# Altium PCB PCB_3U_DAC_no_BNC.PCBDOC (part 5 of 7) (continued)
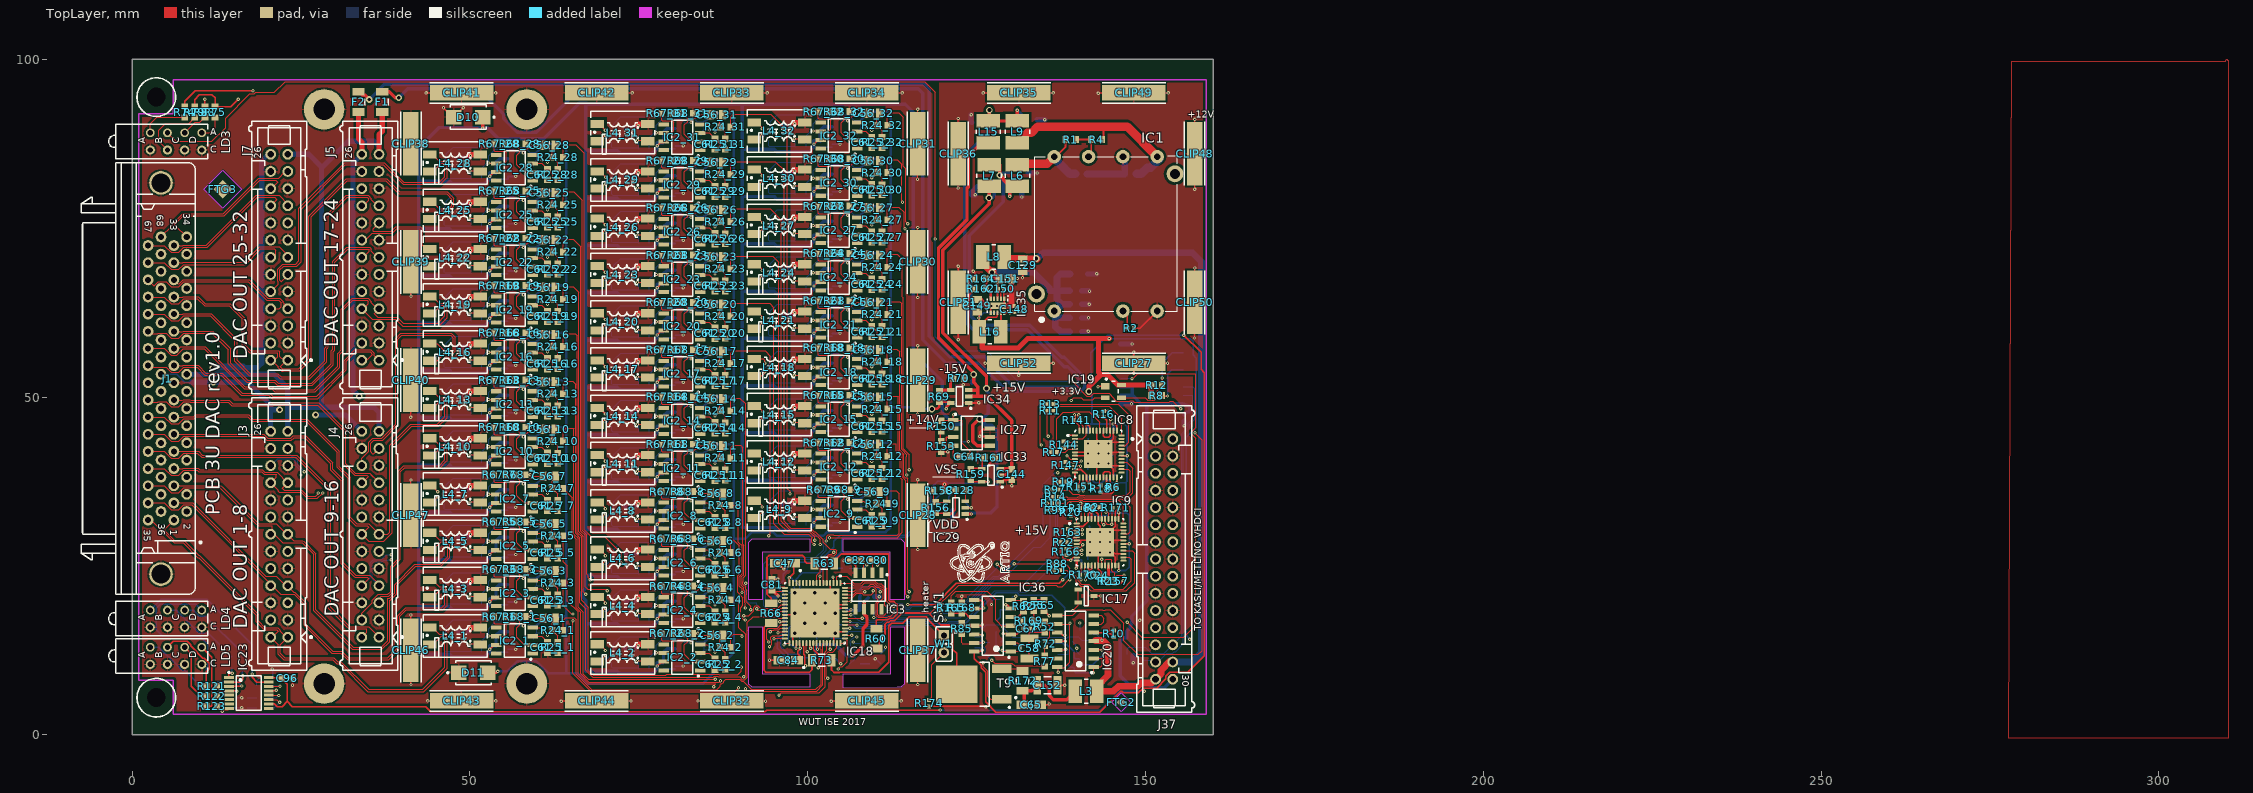
[diagram p0: TopLayer view]
## Nets (pads, with @x,y where several pads share a name; then routed paths per layer and width w, separated by ;. In a path a pad name is that pad's centre, name@x,y a point inside that pad or via, vN(x,y) a via of type N, cw(c..) or ccw(c..) an arc to the next point about the centre after c; other vN are vias at no path point) (continued)
  BottomLayer w0.152: R39_5.1@51.763,26.306 51.763,27.917 52.497,28.651 v1(52.796,28.651) 52.796,29.744 53.772,30.72 56.429,30.72 56.994,30.155 v1(57.912,30.155)
NetC56_6_1: C56_6.1 R24_6.2 R25_6.1 | length 4
  TopLayer w0.152: C56_6.1@87.422,28.772 86.992,28.342 R24_6.2@86.992,26.994 87.792,26.194 R25_6.1@87.792,25.254
NetC56_6_2: C56_6.2 IC2_6.6 R39_6.1 R67_6.2 | length 20.1
  TopLayer w0.152: v1(77.596,26.151) 78.661,26.151 IC2_6.6@78.707,26.105 79.852,26.105 80.177,26.43 80.177,27.707 79.959,27.925 78.435,27.925 78.356,28.004 R67_6.2@78.356,29.026 ; v1(82.712,27.655) 83.38,28.323 83.666,28.323 84.115,28.772 C56_6.2@85.622,28.772
  BottomLayer w0.152: R39_6.1@76.563,23.806 76.563,25.417 77.297,26.151 v1(77.596,26.151) 77.596,27.244 78.572,28.22 81.229,28.22 81.794,27.655 v1(82.712,27.655)
NetC56_7_1: C56_7.1 R24_7.2 R25_7.1 | length 4
  TopLayer w0.152: C56_7.1@62.622,38.272 62.192,37.842 R24_7.2@62.192,36.494 62.992,35.694 R25_7.1@62.992,34.754
NetC56_7_2: C56_7.2 IC2_7.6 R39_7.1 R67_7.2 | length 20.1
  TopLayer w0.152: v1(52.796,35.651) 53.861,35.651 IC2_7.6@53.907,35.605 55.052,35.605 55.377,35.93 55.377,37.207 55.159,37.425 53.635,37.425 53.556,37.504 R67_7.2@53.556,38.526 ; v1(57.912,37.155) 58.58,37.823 58.866,37.823 59.315,38.272 C56_7.2@60.822,38.272
  BottomLayer w0.152: R39_7.1@51.763,33.306 51.763,34.917 52.497,35.651 v1(52.796,35.651) 52.796,36.744 53.772,37.72 56.429,37.72 56.994,37.155 v1(57.912,37.155)
NetC56_8_1: C56_8.1 R24_8.2 R25_8.1 | length 4
  TopLayer w0.152: C56_8.1@87.422,35.772 86.992,35.342 R24_8.2@86.992,33.994 87.792,33.194 R25_8.1@87.792,32.254
NetC56_8_2: C56_8.2 IC2_8.6 R39_8.1 R67_8.2 | length 20.1
  TopLayer w0.152: v1(77.596,33.151) 78.661,33.151 IC2_8.6@78.707,33.105 79.852,33.105 80.177,33.43 80.177,34.707 79.959,34.925 78.435,34.925 78.356,35.004 R67_8.2@78.356,36.026 ; v1(82.712,34.655) 83.38,35.323 83.666,35.323 84.115,35.772 C56_8.2@85.622,35.772
  BottomLayer w0.152: R39_8.1@76.563,30.806 76.563,32.417 77.297,33.151 v1(77.596,33.151) 77.596,34.244 78.572,35.22 81.229,35.22 81.794,34.655 v1(82.712,34.655)
NetC56_9_1: C56_9.1 R24_9.2 R25_9.1 | length 4
  TopLayer w0.152: C56_9.1@110.622,36.022 110.192,35.592 R24_9.2@110.192,34.244 110.992,33.444 R25_9.1@110.992,32.504
NetC56_9_2: C56_9.2 IC2_9.6 R39_9.1 R67_9.2 | length 20.1
  TopLayer w0.152: v1(100.796,33.401) 101.861,33.401 IC2_9.6@101.907,33.355 103.052,33.355 103.377,33.68 103.377,34.957 103.159,35.175 101.635,35.175 101.556,35.254 R67_9.2@101.556,36.276 ; v1(105.912,34.905) 106.58,35.573 106.866,35.573 107.315,36.022 C56_9.2@108.822,36.022
  BottomLayer w0.152: R39_9.1@99.763,31.056 99.763,32.667 100.497,33.401 v1(100.796,33.401) 100.796,34.494 101.772,35.47 104.429,35.47 104.994,34.905 v1(105.912,34.905)
NetC56_10_1: C56_10.1 R24_10.2 R25_10.1 | length 4
  TopLayer w0.152: C56_10.1@62.622,45.272 62.192,44.842 R24_10.2@62.192,43.494 62.992,42.694 R25_10.1@62.992,41.754
NetC56_10_2: C56_10.2 IC2_10.6 R39_10.1 R67_10.2 | length 20.1
  TopLayer w0.152: v1(52.796,42.651) 53.861,42.651 IC2_10.6@53.907,42.605 55.052,42.605 55.377,42.93 55.377,44.207 55.159,44.425 53.635,44.425 53.556,44.504 R67_10.2@53.556,45.526 ; v1(57.912,44.155) 58.58,44.823 58.866,44.823 59.315,45.272 C56_10.2@60.822,45.272
  BottomLayer w0.152: R39_10.1@51.763,40.306 51.763,41.917 52.497,42.651 v1(52.796,42.651) 52.796,43.744 53.772,44.72 56.429,44.72 56.994,44.155 v1(57.912,44.155)
NetC56_11_1: C56_11.1 R24_11.2 R25_11.1 | length 4
  TopLayer w0.152: C56_11.1@87.422,42.772 86.992,42.342 R24_11.2@86.992,40.994 87.792,40.194 R25_11.1@87.792,39.254
NetC56_11_2: C56_11.2 IC2_11.6 R39_11.1 R67_11.2 | length 20.1
  TopLayer w0.152: v1(77.596,40.151) 78.661,40.151 IC2_11.6@78.707,40.105 79.852,40.105 80.177,40.43 80.177,41.707 79.959,41.925 78.435,41.925 78.356,42.004 R67_11.2@78.356,43.026 ; v1(82.712,41.655) 83.38,42.323 83.666,42.323 84.115,42.772 C56_11.2@85.622,42.772
  BottomLayer w0.152: R39_11.1@76.563,37.806 76.563,39.417 77.297,40.151 v1(77.596,40.151) 77.596,41.244 78.572,42.22 81.229,42.22 81.794,41.655 v1(82.712,41.655)
NetC56_12_1: C56_12.1 R24_12.2 R25_12.1 | length 4
  TopLayer w0.152: C56_12.1@110.622,43.022 110.192,42.592 R24_12.2@110.192,41.244 110.992,40.444 R25_12.1@110.992,39.504
NetC56_12_2: C56_12.2 IC2_12.6 R39_12.1 R67_12.2 | length 20.1
  TopLayer w0.152: v1(100.796,40.401) 101.861,40.401 IC2_12.6@101.907,40.355 103.052,40.355 103.377,40.68 103.377,41.957 103.159,42.175 101.635,42.175 101.556,42.254 R67_12.2@101.556,43.276 ; v1(105.912,41.905) 106.58,42.573 106.866,42.573 107.315,43.022 C56_12.2@108.822,43.022
  BottomLayer w0.152: R39_12.1@99.763,38.056 99.763,39.667 100.497,40.401 v1(100.796,40.401) 100.796,41.494 101.772,42.47 104.429,42.47 104.994,41.905 v1(105.912,41.905)
NetC56_13_1: C56_13.1 R24_13.2 R25_13.1 | length 4
  TopLayer w0.152: C56_13.1@62.622,52.272 62.192,51.842 R24_13.2@62.192,50.494 62.992,49.694 R25_13.1@62.992,48.754
NetC56_13_2: C56_13.2 IC2_13.6 R39_13.1 R67_13.2 | length 20.1
  TopLayer w0.152: v1(52.796,49.651) 53.861,49.651 IC2_13.6@53.907,49.605 55.052,49.605 55.377,49.93 55.377,51.207 55.159,51.425 53.635,51.425 53.556,51.504 R67_13.2@53.556,52.526 ; v1(57.912,51.155) 58.58,51.823 58.866,51.823 59.315,52.272 C56_13.2@60.822,52.272
  BottomLayer w0.152: R39_13.1@51.763,47.306 51.763,48.917 52.497,49.651 v1(52.796,49.651) 52.796,50.744 53.772,51.72 56.429,51.72 56.994,51.155 v1(57.912,51.155)
NetC56_14_1: C56_14.1 R24_14.2 R25_14.1 | length 4
  TopLayer w0.152: C56_14.1@87.422,49.772 86.992,49.342 R24_14.2@86.992,47.994 87.792,47.194 R25_14.1@87.792,46.254
NetC56_14_2: C56_14.2 IC2_14.6 R39_14.1 R67_14.2 | length 20.1
  TopLayer w0.152: v1(77.596,47.151) 78.661,47.151 IC2_14.6@78.707,47.105 79.852,47.105 80.177,47.43 80.177,48.707 79.959,48.925 78.435,48.925 78.356,49.004 R67_14.2@78.356,50.026 ; v1(82.712,48.655) 83.38,49.323 83.666,49.323 84.115,49.772 C56_14.2@85.622,49.772
  BottomLayer w0.152: R39_14.1@76.563,44.806 76.563,46.417 77.297,47.151 v1(77.596,47.151) 77.596,48.244 78.572,49.22 81.229,49.22 81.794,48.655 v1(82.712,48.655)
NetC56_15_1: C56_15.1 R24_15.2 R25_15.1 | length 4
  TopLayer w0.152: C56_15.1@110.622,50.022 110.192,49.592 R24_15.2@110.192,48.244 110.992,47.444 R25_15.1@110.992,46.504
NetC56_15_2: C56_15.2 IC2_15.6 R39_15.1 R67_15.2 | length 20.1
  TopLayer w0.152: v1(100.796,47.401) 101.861,47.401 IC2_15.6@101.907,47.355 103.052,47.355 103.377,47.68 103.377,48.957 103.159,49.175 101.635,49.175 101.556,49.254 R67_15.2@101.556,50.276 ; v1(105.912,48.905) 106.58,49.573 106.866,49.573 107.315,50.022 C56_15.2@108.822,50.022
  BottomLayer w0.152: R39_15.1@99.763,45.056 99.763,46.667 100.497,47.401 v1(100.796,47.401) 100.796,48.494 101.772,49.47 104.429,49.47 104.994,48.905 v1(105.912,48.905)
NetC56_16_1: C56_16.1 R24_16.2 R25_16.1 | length 4
  TopLayer w0.152: C56_16.1@62.622,59.272 62.192,58.842 R24_16.2@62.192,57.494 62.992,56.694 R25_16.1@62.992,55.754
NetC56_16_2: C56_16.2 IC2_16.6 R39_16.1 R67_16.2 | length 20.1
  TopLayer w0.152: v1(52.796,56.651) 53.861,56.651 IC2_16.6@53.907,56.605 55.052,56.605 55.377,56.93 55.377,58.207 55.159,58.425 53.635,58.425 53.556,58.504 R67_16.2@53.556,59.526 ; v1(57.912,58.155) 58.58,58.823 58.866,58.823 59.315,59.272 C56_16.2@60.822,59.272
  BottomLayer w0.152: R39_16.1@51.763,54.306 51.763,55.917 52.497,56.651 v1(52.796,56.651) 52.796,57.744 53.772,58.72 56.429,58.72 56.994,58.155 v1(57.912,58.155)
NetC56_17_1: C56_17.1 R24_17.2 R25_17.1 | length 4
  TopLayer w0.152: C56_17.1@87.422,56.772 86.992,56.342 R24_17.2@86.992,54.994 87.792,54.194 R25_17.1@87.792,53.254
NetC56_17_2: C56_17.2 IC2_17.6 R39_17.1 R67_17.2 | length 20.1
  TopLayer w0.152: v1(77.596,54.151) 78.661,54.151 IC2_17.6@78.707,54.105 79.852,54.105 80.177,54.43 80.177,55.707 79.959,55.925 78.435,55.925 78.356,56.004 R67_17.2@78.356,57.026 ; v1(82.712,55.655) 83.38,56.323 83.666,56.323 84.115,56.772 C56_17.2@85.622,56.772
  BottomLayer w0.152: R39_17.1@76.563,51.806 76.563,53.417 77.297,54.151 v1(77.596,54.151) 77.596,55.244 78.572,56.22 81.229,56.22 81.794,55.655 v1(82.712,55.655)
NetC56_18_1: C56_18.1 R24_18.2 R25_18.1 | length 4
  TopLayer w0.152: C56_18.1@110.622,57.022 110.192,56.592 R24_18.2@110.192,55.244 110.992,54.444 R25_18.1@110.992,53.504
NetC56_18_2: C56_18.2 IC2_18.6 R39_18.1 R67_18.2 | length 20.1
  TopLayer w0.152: v1(100.796,54.401) 101.861,54.401 IC2_18.6@101.907,54.355 103.052,54.355 103.377,54.68 103.377,55.957 103.159,56.175 101.635,56.175 101.556,56.254 R67_18.2@101.556,57.276 ; v1(105.912,55.905) 106.58,56.573 106.866,56.573 107.315,57.022 C56_18.2@108.822,57.022
  BottomLayer w0.152: R39_18.1@99.763,52.056 99.763,53.667 100.497,54.401 v1(100.796,54.401) 100.796,55.494 101.772,56.47 104.429,56.47 104.994,55.905 v1(105.912,55.905)
NetC56_19_1: C56_19.1 R24_19.2 R25_19.1 | length 4
  TopLayer w0.152: C56_19.1@62.622,66.272 62.192,65.842 R24_19.2@62.192,64.494 62.992,63.694 R25_19.1@62.992,62.754
NetC56_19_2: C56_19.2 IC2_19.6 R39_19.1 R67_19.2 | length 20.1
  TopLayer w0.152: v1(52.796,63.651) 53.861,63.651 IC2_19.6@53.907,63.605 55.052,63.605 55.377,63.93 55.377,65.207 55.159,65.425 53.635,65.425 53.556,65.504 R67_19.2@53.556,66.526 ; v1(57.912,65.155) 58.58,65.823 58.866,65.823 59.315,66.272 C56_19.2@60.822,66.272
  BottomLayer w0.152: R39_19.1@51.763,61.306 51.763,62.917 52.497,63.651 v1(52.796,63.651) 52.796,64.744 53.772,65.72 56.429,65.72 56.994,65.155 v1(57.912,65.155)
NetC56_20_1: C56_20.1 R24_20.2 R25_20.1 | length 4
  TopLayer w0.152: C56_20.1@87.422,63.772 86.992,63.342 R24_20.2@86.992,61.994 87.792,61.194 R25_20.1@87.792,60.254
NetC56_20_2: C56_20.2 IC2_20.6 R39_20.1 R67_20.2 | length 20.1
  TopLayer w0.152: v1(77.596,61.151) 78.661,61.151 IC2_20.6@78.707,61.105 79.852,61.105 80.177,61.43 80.177,62.707 79.959,62.925 78.435,62.925 78.356,63.004 R67_20.2@78.356,64.026 ; v1(82.712,62.655) 83.38,63.323 83.666,63.323 84.115,63.772 C56_20.2@85.622,63.772
  BottomLayer w0.152: R39_20.1@76.563,58.806 76.563,60.417 77.297,61.151 v1(77.596,61.151) 77.596,62.244 78.572,63.22 81.229,63.22 81.794,62.655 v1(82.712,62.655)
NetC56_21_1: C56_21.1 R24_21.2 R25_21.1 | length 4
  TopLayer w0.152: C56_21.1@110.622,64.022 110.192,63.592 R24_21.2@110.192,62.244 110.992,61.444 R25_21.1@110.992,60.504
NetC56_21_2: C56_21.2 IC2_21.6 R39_21.1 R67_21.2 | length 20.1
  TopLayer w0.152: v1(100.796,61.401) 101.861,61.401 IC2_21.6@101.907,61.355 103.052,61.355 103.377,61.68 103.377,62.957 103.159,63.175 101.635,63.175 101.556,63.254 R67_21.2@101.556,64.276 ; v1(105.912,62.905) 106.58,63.573 106.866,63.573 107.315,64.022 C56_21.2@108.822,64.022
  BottomLayer w0.152: R39_21.1@99.763,59.056 99.763,60.667 100.497,61.401 v1(100.796,61.401) 100.796,62.494 101.772,63.47 104.429,63.47 104.994,62.905 v1(105.912,62.905)
NetC56_22_1: C56_22.1 R24_22.2 R25_22.1 | length 4
  TopLayer w0.152: C56_22.1@62.622,73.272 62.192,72.842 R24_22.2@62.192,71.494 62.992,70.694 R25_22.1@62.992,69.754
NetC56_22_2: C56_22.2 IC2_22.6 R39_22.1 R67_22.2 | length 20.1
  TopLayer w0.152: v1(52.796,70.651) 53.861,70.651 IC2_22.6@53.907,70.605 55.052,70.605 55.377,70.93 55.377,72.207 55.159,72.425 53.635,72.425 53.556,72.504 R67_22.2@53.556,73.526 ; v1(57.912,72.155) 58.58,72.823 58.866,72.823 59.315,73.272 C56_22.2@60.822,73.272
  BottomLayer w0.152: R39_22.1@51.763,68.306 51.763,69.917 52.497,70.651 v1(52.796,70.651) 52.796,71.744 53.772,72.72 56.429,72.72 56.994,72.155 v1(57.912,72.155)
NetC56_23_1: C56_23.1 R24_23.2 R25_23.1 | length 4
  TopLayer w0.152: C56_23.1@87.422,70.772 86.992,70.342 R24_23.2@86.992,68.994 87.792,68.194 R25_23.1@87.792,67.254
NetC56_23_2: C56_23.2 IC2_23.6 R39_23.1 R67_23.2 | length 20.1
  TopLayer w0.152: v1(77.596,68.151) 78.661,68.151 IC2_23.6@78.707,68.105 79.852,68.105 80.177,68.43 80.177,69.707 79.959,69.925 78.435,69.925 78.356,70.004 R67_23.2@78.356,71.026 ; v1(82.712,69.655) 83.38,70.323 83.666,70.323 84.115,70.772 C56_23.2@85.622,70.772
  BottomLayer w0.152: R39_23.1@76.563,65.806 76.563,67.417 77.297,68.151 v1(77.596,68.151) 77.596,69.244 78.572,70.22 81.229,70.22 81.794,69.655 v1(82.712,69.655)
NetC56_24_1: C56_24.1 R24_24.2 R25_24.1 | length 4
  TopLayer w0.152: C56_24.1@110.622,71.022 110.192,70.592 R24_24.2@110.192,69.244 110.992,68.444 R25_24.1@110.992,67.504
NetC56_24_2: C56_24.2 IC2_24.6 R39_24.1 R67_24.2 | length 20.1
  TopLayer w0.152: v1(100.796,68.401) 101.861,68.401 IC2_24.6@101.907,68.355 103.052,68.355 103.377,68.68 103.377,69.957 103.159,70.175 101.635,70.175 101.556,70.254 R67_24.2@101.556,71.276 ; v1(105.912,69.905) 106.58,70.573 106.866,70.573 107.315,71.022 C56_24.2@108.822,71.022
  BottomLayer w0.152: R39_24.1@99.763,66.056 99.763,67.667 100.497,68.401 v1(100.796,68.401) 100.796,69.494 101.772,70.47 104.429,70.47 104.994,69.905 v1(105.912,69.905)
NetC56_25_1: C56_25.1 R24_25.2 R25_25.1 | length 4
  TopLayer w0.152: C56_25.1@62.622,80.272 62.192,79.842 R24_25.2@62.192,78.494 62.992,77.694 R25_25.1@62.992,76.754
NetC56_25_2: C56_25.2 IC2_25.6 R39_25.1 R67_25.2 | length 20.1
  TopLayer w0.152: v1(52.796,77.651) 53.861,77.651 IC2_25.6@53.907,77.605 55.052,77.605 55.377,77.93 55.377,79.207 55.159,79.425 53.635,79.425 53.556,79.504 R67_25.2@53.556,80.526 ; v1(57.912,79.155) 58.58,79.823 58.866,79.823 59.315,80.272 C56_25.2@60.822,80.272
  BottomLayer w0.152: R39_25.1@51.763,75.306 51.763,76.917 52.497,77.651 v1(52.796,77.651) 52.796,78.744 53.772,79.72 56.429,79.72 56.994,79.155 v1(57.912,79.155)
NetC56_26_1: C56_26.1 R24_26.2 R25_26.1 | length 4
  TopLayer w0.152: C56_26.1@87.422,77.772 86.992,77.342 R24_26.2@86.992,75.994 87.792,75.194 R25_26.1@87.792,74.254
NetC56_26_2: C56_26.2 IC2_26.6 R39_26.1 R67_26.2 | length 20.1
  TopLayer w0.152: v1(77.596,75.151) 78.661,75.151 IC2_26.6@78.707,75.105 79.852,75.105 80.177,75.43 80.177,76.707 79.959,76.925 78.435,76.925 78.356,77.004 R67_26.2@78.356,78.026 ; v1(82.712,76.655) 83.38,77.323 83.666,77.323 84.115,77.772 C56_26.2@85.622,77.772
  BottomLayer w0.152: R39_26.1@76.563,72.806 76.563,74.417 77.297,75.151 v1(77.596,75.151) 77.596,76.244 78.572,77.22 81.229,77.22 81.794,76.655 v1(82.712,76.655)
NetC56_27_1: C56_27.1 R24_27.2 R25_27.1 | length 4
  TopLayer w0.152: C56_27.1@110.622,78.022 110.192,77.592 R24_27.2@110.192,76.244 110.992,75.444 R25_27.1@110.992,74.504
NetC56_27_2: C56_27.2 IC2_27.6 R39_27.1 R67_27.2 | length 20.1
  TopLayer w0.152: v1(100.796,75.401) 101.861,75.401 IC2_27.6@101.907,75.355 103.052,75.355 103.377,75.68 103.377,76.957 103.159,77.175 101.635,77.175 101.556,77.254 R67_27.2@101.556,78.276 ; v1(105.912,76.905) 106.58,77.573 106.866,77.573 107.315,78.022 C56_27.2@108.822,78.022
  BottomLayer w0.152: R39_27.1@99.763,73.056 99.763,74.667 100.497,75.401 v1(100.796,75.401) 100.796,76.494 101.772,77.47 104.429,77.47 104.994,76.905 v1(105.912,76.905)
NetC56_28_1: C56_28.1 R24_28.2 R25_28.1 | length 4
  TopLayer w0.152: C56_28.1@62.622,87.272 62.192,86.842 R24_28.2@62.192,85.494 62.992,84.694 R25_28.1@62.992,83.754
NetC56_28_2: C56_28.2 IC2_28.6 R39_28.1 R67_28.2 | length 20.1
  TopLayer w0.152: v1(52.796,84.651) 53.861,84.651 IC2_28.6@53.907,84.605 55.052,84.605 55.377,84.93 55.377,86.207 55.159,86.425 53.635,86.425 53.556,86.504 R67_28.2@53.556,87.526 ; v1(57.912,86.155) 58.58,86.823 58.866,86.823 59.315,87.272 C56_28.2@60.822,87.272
  BottomLayer w0.152: R39_28.1@51.763,82.306 51.763,83.917 52.497,84.651 v1(52.796,84.651) 52.796,85.744 53.772,86.72 56.429,86.72 56.994,86.155 v1(57.912,86.155)
NetC56_29_1: C56_29.1 R24_29.2 R25_29.1 | length 4
  TopLayer w0.152: C56_29.1@87.422,84.772 86.992,84.342 R24_29.2@86.992,82.994 87.792,82.194 R25_29.1@87.792,81.254
NetC56_29_2: C56_29.2 IC2_29.6 R39_29.1 R67_29.2 | length 20.1
  TopLayer w0.152: v1(77.596,82.151) 78.661,82.151 IC2_29.6@78.707,82.105 79.852,82.105 80.177,82.43 80.177,83.707 79.959,83.925 78.435,83.925 78.356,84.004 R67_29.2@78.356,85.026 ; v1(82.712,83.655) 83.38,84.323 83.666,84.323 84.115,84.772 C56_29.2@85.622,84.772
  BottomLayer w0.152: R39_29.1@76.563,79.806 76.563,81.417 77.297,82.151 v1(77.596,82.151) 77.596,83.244 78.572,84.22 81.229,84.22 81.794,83.655 v1(82.712,83.655)
NetC56_30_1: C56_30.1 R24_30.2 R25_30.1 | length 4
  TopLayer w0.152: C56_30.1@110.622,85.022 110.192,84.592 R24_30.2@110.192,83.244 110.992,82.444 R25_30.1@110.992,81.504
NetC56_30_2: C56_30.2 IC2_30.6 R39_30.1 R67_30.2 | length 20.1
  TopLayer w0.152: v1(100.796,82.401) 101.861,82.401 IC2_30.6@101.907,82.355 103.052,82.355 103.377,82.68 103.377,83.957 103.159,84.175 101.635,84.175 101.556,84.254 R67_30.2@101.556,85.276 ; v1(105.912,83.905) 106.58,84.573 106.866,84.573 107.315,85.022 C56_30.2@108.822,85.022
  BottomLayer w0.152: R39_30.1@99.763,80.056 99.763,81.667 100.497,82.401 v1(100.796,82.401) 100.796,83.494 101.772,84.47 104.429,84.47 104.994,83.905 v1(105.912,83.905)
NetC56_31_1: C56_31.1 R24_31.2 R25_31.1 | length 4
  TopLayer w0.152: C56_31.1@87.422,91.772 86.992,91.342 R24_31.2@86.992,89.994 87.792,89.194 R25_31.1@87.792,88.254
NetC56_31_2: C56_31.2 IC2_31.6 R39_31.1 R67_31.2 | length 20.1
  TopLayer w0.152: v1(77.596,89.151) 78.661,89.151 IC2_31.6@78.707,89.105 79.852,89.105 80.177,89.43 80.177,90.707 79.959,90.925 78.435,90.925 78.356,91.004 R67_31.2@78.356,92.026 ; v1(82.712,90.655) 83.38,91.323 83.666,91.323 84.115,91.772 C56_31.2@85.622,91.772
  BottomLayer w0.152: R39_31.1@76.563,86.806 76.563,88.417 77.297,89.151 v1(77.596,89.151) 77.596,90.244 78.572,91.22 81.229,91.22 81.794,90.655 v1(82.712,90.655)
NetC56_32_1: C56_32.1 R24_32.2 R25_32.1 | length 4
  TopLayer w0.152: C56_32.1@110.622,92.022 110.192,91.592 R24_32.2@110.192,90.244 110.992,89.444 R25_32.1@110.992,88.504
NetC56_32_2: C56_32.2 IC2_32.6 R39_32.1 R67_32.2 | length 20.1
  TopLayer w0.152: v1(100.796,89.401) 101.861,89.401 IC2_32.6@101.907,89.355 103.052,89.355 103.377,89.68 103.377,90.957 103.159,91.175 101.635,91.175 101.556,91.254 R67_32.2@101.556,92.276 ; v1(105.912,90.905) 106.58,91.573 106.866,91.573 107.315,92.022 C56_32.2@108.822,92.022
  BottomLayer w0.152: R39_32.1@99.763,87.056 99.763,88.667 100.497,89.401 v1(100.796,89.401) 100.796,90.494 101.772,91.47 104.429,91.47 104.994,90.905 v1(105.912,90.905)
NetC58_1: C58.1 IC36.1 R53.2 R57.1 | length 9.8
  TopLayer w0.127: v1(128.813,12.531) 128.996,12.348 IC36.1@130.08,12.348 132.496,12.348 132.813,12.031 C58.1@132.813,11.324
  BottomLayer w0.127: R57.1@127.986,15.326 127.921,15.261 127.921,12.795 128.185,12.531 v1(128.813,12.531) 129.639,12.531 R53.2@130.019,12.151
NetC58_2: C58.2 IC36.2 R52.2 R53.1 | length 8.5
  TopLayer w0.127: IC36.2@130.08,13.618 130.976,13.618 v1@131.313,13.281 ; v1@131.394,13.281 132.563,13.281 132.813,13.531 C58.2@132.813,14.324 132.813,15.215 133.228,15.215 ; 133.121,15.199 R52.2@135.099,15.199
  BottomLayer w0.127: R53.1@130.019,13.751 130.486,13.284 v1(131.394,13.284)
NetC59_2: C59.2 IC36.6 R54.2 R57.2 | length 5.4
  TopLayer w0.203: v1(129.312,19.281) 129.497,19.281 IC36.6@130.08,18.698
  BottomLayer w0.203: R57.2@127.986,16.926 128.495,17.434 C59.2@128.495,18.501 R54.2@130.019,18.501 129.312,19.207 v1(129.312,19.281)
NetC61_1_2: C61_1.2 IC2_1.3 R25_1.2 | length 5
  TopLayer w0.152: IC2_1.3@59.307,14.605 60.617,14.605 C61_1.2@61.468,13.754 62.268,12.954 62.268,12.52 62.634,12.154 R25_1.2@62.992,12.154
NetC61_2_2: C61_2.2 IC2_2.3 R25_2.2 | length 5
  TopLayer w0.152: IC2_2.3@84.107,12.105 85.417,12.105 87.068,10.454 87.068,10.02 87.434,9.654 R25_2.2@87.792,9.654
NetC61_3_2: C61_3.2 IC2_3.3 R25_3.2 | length 5
  TopLayer w0.152: IC2_3.3@59.307,21.605 60.617,21.605 62.268,19.954 62.268,19.52 62.634,19.154 R25_3.2@62.992,19.154
NetC61_4_2: C61_4.2 IC2_4.3 R25_4.2 | length 5
  TopLayer w0.152: IC2_4.3@84.107,19.105 85.417,19.105 87.068,17.454 87.068,17.02 87.434,16.654 R25_4.2@87.792,16.654
NetC61_5_2: C61_5.2 IC2_5.3 R25_5.2 | length 5
  TopLayer w0.152: IC2_5.3@59.307,28.605 60.617,28.605 C61_5.2@61.468,27.754 62.268,26.954 62.268,26.52 62.634,26.154 R25_5.2@62.992,26.154
NetC61_6_2: C61_6.2 IC2_6.3 R25_6.2 | length 5
  TopLayer w0.152: IC2_6.3@84.107,26.105 85.417,26.105 87.068,24.454 87.068,24.02 87.434,23.654 R25_6.2@87.792,23.654
NetC61_7_2: C61_7.2 IC2_7.3 R25_7.2 | length 5
  TopLayer w0.152: IC2_7.3@59.307,35.605 60.617,35.605 62.268,33.954 62.268,33.52 62.634,33.154 R25_7.2@62.992,33.154
NetC61_8_2: C61_8.2 IC2_8.3 R25_8.2 | length 5
  TopLayer w0.152: IC2_8.3@84.107,33.105 85.417,33.105 C61_8.2@86.268,32.254 87.068,31.454 87.068,31.02 87.434,30.654 R25_8.2@87.792,30.654
NetC61_9_2: C61_9.2 IC2_9.3 R25_9.2 | length 5
  TopLayer w0.152: IC2_9.3@107.307,33.355 108.617,33.355 C61_9.2@109.468,32.504 110.268,31.704 110.268,31.27 110.634,30.904 R25_9.2@110.992,30.904
NetC61_10_2: C61_10.2 IC2_10.3 R25_10.2 | length 5
  TopLayer w0.152: IC2_10.3@59.307,42.605 60.617,42.605 62.268,40.954 62.268,40.52 62.634,40.154 R25_10.2@62.992,40.154
NetC61_11_2: C61_11.2 IC2_11.3 R25_11.2 | length 5
  TopLayer w0.152: IC2_11.3@84.107,40.105 85.417,40.105 87.068,38.454 87.068,38.02 87.434,37.654 R25_11.2@87.792,37.654
NetC61_12_2: C61_12.2 IC2_12.3 R25_12.2 | length 5
  TopLayer w0.152: IC2_12.3@107.307,40.355 108.617,40.355 C61_12.2@109.468,39.504 110.268,38.704 110.268,38.27 110.634,37.904 R25_12.2@110.992,37.904
NetC61_13_2: C61_13.2 IC2_13.3 R25_13.2 | length 5
  TopLayer w0.152: IC2_13.3@59.307,49.605 60.617,49.605 C61_13.2@61.468,48.754 62.268,47.954 62.268,47.52 62.634,47.154 R25_13.2@62.992,47.154
NetC61_14_2: C61_14.2 IC2_14.3 R25_14.2 | length 5
  TopLayer w0.152: IC2_14.3@84.107,47.105 85.417,47.105 87.068,45.454 87.068,45.02 87.434,44.654 R25_14.2@87.792,44.654
NetC61_15_2: C61_15.2 IC2_15.3 R25_15.2 | length 5
  TopLayer w0.152: IC2_15.3@107.307,47.355 108.617,47.355 C61_15.2@109.468,46.504 110.268,45.704 110.268,45.27 110.634,44.904 R25_15.2@110.992,44.904
NetC61_16_2: C61_16.2 IC2_16.3 R25_16.2 | length 5
  TopLayer w0.152: IC2_16.3@59.307,56.605 60.617,56.605 C61_16.2@61.468,55.754 62.268,54.954 62.268,54.52 62.634,54.154 R25_16.2@62.992,54.154
NetC61_17_2: C61_17.2 IC2_17.3 R25_17.2 | length 5
  TopLayer w0.152: IC2_17.3@84.107,54.105 85.417,54.105 C61_17.2@86.268,53.254 87.068,52.454 87.068,52.02 87.434,51.654 R25_17.2@87.792,51.654
NetC61_18_2: C61_18.2 IC2_18.3 R25_18.2 | length 5
  TopLayer w0.152: IC2_18.3@107.307,54.355 108.617,54.355 110.268,52.704 110.268,52.27 110.634,51.904 R25_18.2@110.992,51.904
NetC61_19_2: C61_19.2 IC2_19.3 R25_19.2 | length 5
  TopLayer w0.152: IC2_19.3@59.307,63.605 60.617,63.605 62.268,61.954 62.268,61.52 62.634,61.154 R25_19.2@62.992,61.154
NetC61_20_2: C61_20.2 IC2_20.3 R25_20.2 | length 5
  TopLayer w0.152: IC2_20.3@84.107,61.105 85.417,61.105 87.068,59.454 87.068,59.02 87.434,58.654 R25_20.2@87.792,58.654
NetC61_21_2: C61_21.2 IC2_21.3 R25_21.2 | length 5
  TopLayer w0.152: IC2_21.3@107.307,61.355 108.617,61.355 110.268,59.704 110.268,59.27 110.634,58.904 R25_21.2@110.992,58.904
NetC61_22_2: C61_22.2 IC2_22.3 R25_22.2 | length 5
  TopLayer w0.152: IC2_22.3@59.307,70.605 60.617,70.605 C61_22.2@61.468,69.754 62.268,68.954 62.268,68.52 62.634,68.154 R25_22.2@62.992,68.154
NetC61_23_2: C61_23.2 IC2_23.3 R25_23.2 | length 5
  TopLayer w0.152: IC2_23.3@84.107,68.105 85.417,68.105 87.068,66.454 87.068,66.02 87.434,65.654 R25_23.2@87.792,65.654
NetC61_24_2: C61_24.2 IC2_24.3 R25_24.2 | length 5
  TopLayer w0.152: IC2_24.3@107.307,68.355 108.617,68.355 110.268,66.704 110.268,66.27 110.634,65.904 R25_24.2@110.992,65.904
NetC61_25_2: C61_25.2 IC2_25.3 R25_25.2 | length 5
  TopLayer w0.152: IC2_25.3@59.307,77.605 60.617,77.605 62.268,75.954 62.268,75.52 62.634,75.154 R25_25.2@62.992,75.154
NetC61_26_2: C61_26.2 IC2_26.3 R25_26.2 | length 5
  TopLayer w0.152: IC2_26.3@84.107,75.105 85.417,75.105 87.068,73.454 87.068,73.02 87.434,72.654 R25_26.2@87.792,72.654
NetC61_27_2: C61_27.2 IC2_27.3 R25_27.2 | length 5
  TopLayer w0.152: IC2_27.3@107.307,75.355 108.617,75.355 110.268,73.704 110.268,73.27 110.634,72.904 R25_27.2@110.992,72.904
NetC61_28_2: C61_28.2 IC2_28.3 R25_28.2 | length 5
  TopLayer w0.152: IC2_28.3@59.307,84.605 60.617,84.605 62.268,82.954 62.268,82.52 62.634,82.154 R25_28.2@62.992,82.154
NetC61_29_2: C61_29.2 IC2_29.3 R25_29.2 | length 5
  TopLayer w0.152: IC2_29.3@84.107,82.105 85.417,82.105 87.068,80.454 87.068,80.02 87.434,79.654 R25_29.2@87.792,79.654
NetC61_30_2: C61_30.2 IC2_30.3 R25_30.2 | length 5
  TopLayer w0.152: IC2_30.3@107.307,82.355 108.617,82.355 110.268,80.704 110.268,80.27 110.634,79.904 R25_30.2@110.992,79.904
NetC61_31_2: C61_31.2 IC2_31.3 R25_31.2 | length 5
  TopLayer w0.152: IC2_31.3@84.107,89.105 85.417,89.105 87.068,87.454 87.068,87.02 87.434,86.654 R25_31.2@87.792,86.654
NetC61_32_2: C61_32.2 IC2_32.3 R25_32.2 | length 5
  TopLayer w0.152: IC2_32.3@107.307,89.355 108.617,89.355 110.268,87.704 110.268,87.27 110.634,86.904 R25_32.2@110.992,86.904
NetC62_1_2: C62_1.2 D5_1.3 L4_1.1 R39_1.2 | length 7.6
  TopLayer w0.152: v1(50.005,13.508) 51.419,13.508 L4_1.1@51.546,13.381
  BottomLayer w0.152: D5_1.3@46.213,13.206 D5_1.3@46.213,12.931 46.213,12.5 46.305,12.408 47.209,12.408 47.211,12.406 50.063,12.406 50.163,12.306 50.163,13.351 v1(50.005,13.508)
NetC62_2_2: C62_2.2 D5_2.3 L4_2.1 R39_2.2 | length 7.6
  TopLayer w0.152: v1(74.805,11.008) 76.219,11.008 L4_2.1@76.346,10.881
  BottomLayer w0.152: D5_2.3@71.013,10.706 71.013,10 71.105,9.908 72.009,9.908 72.011,9.906 74.863,9.906 74.963,9.806 74.963,10.851 v1(74.805,11.008)